# Altium PCB RK_NVR_DEMO1_RK3588_LP4XD200P232SD8_V21_20211228_final_lint.PcbDoc (part 15 of 29) (continued)
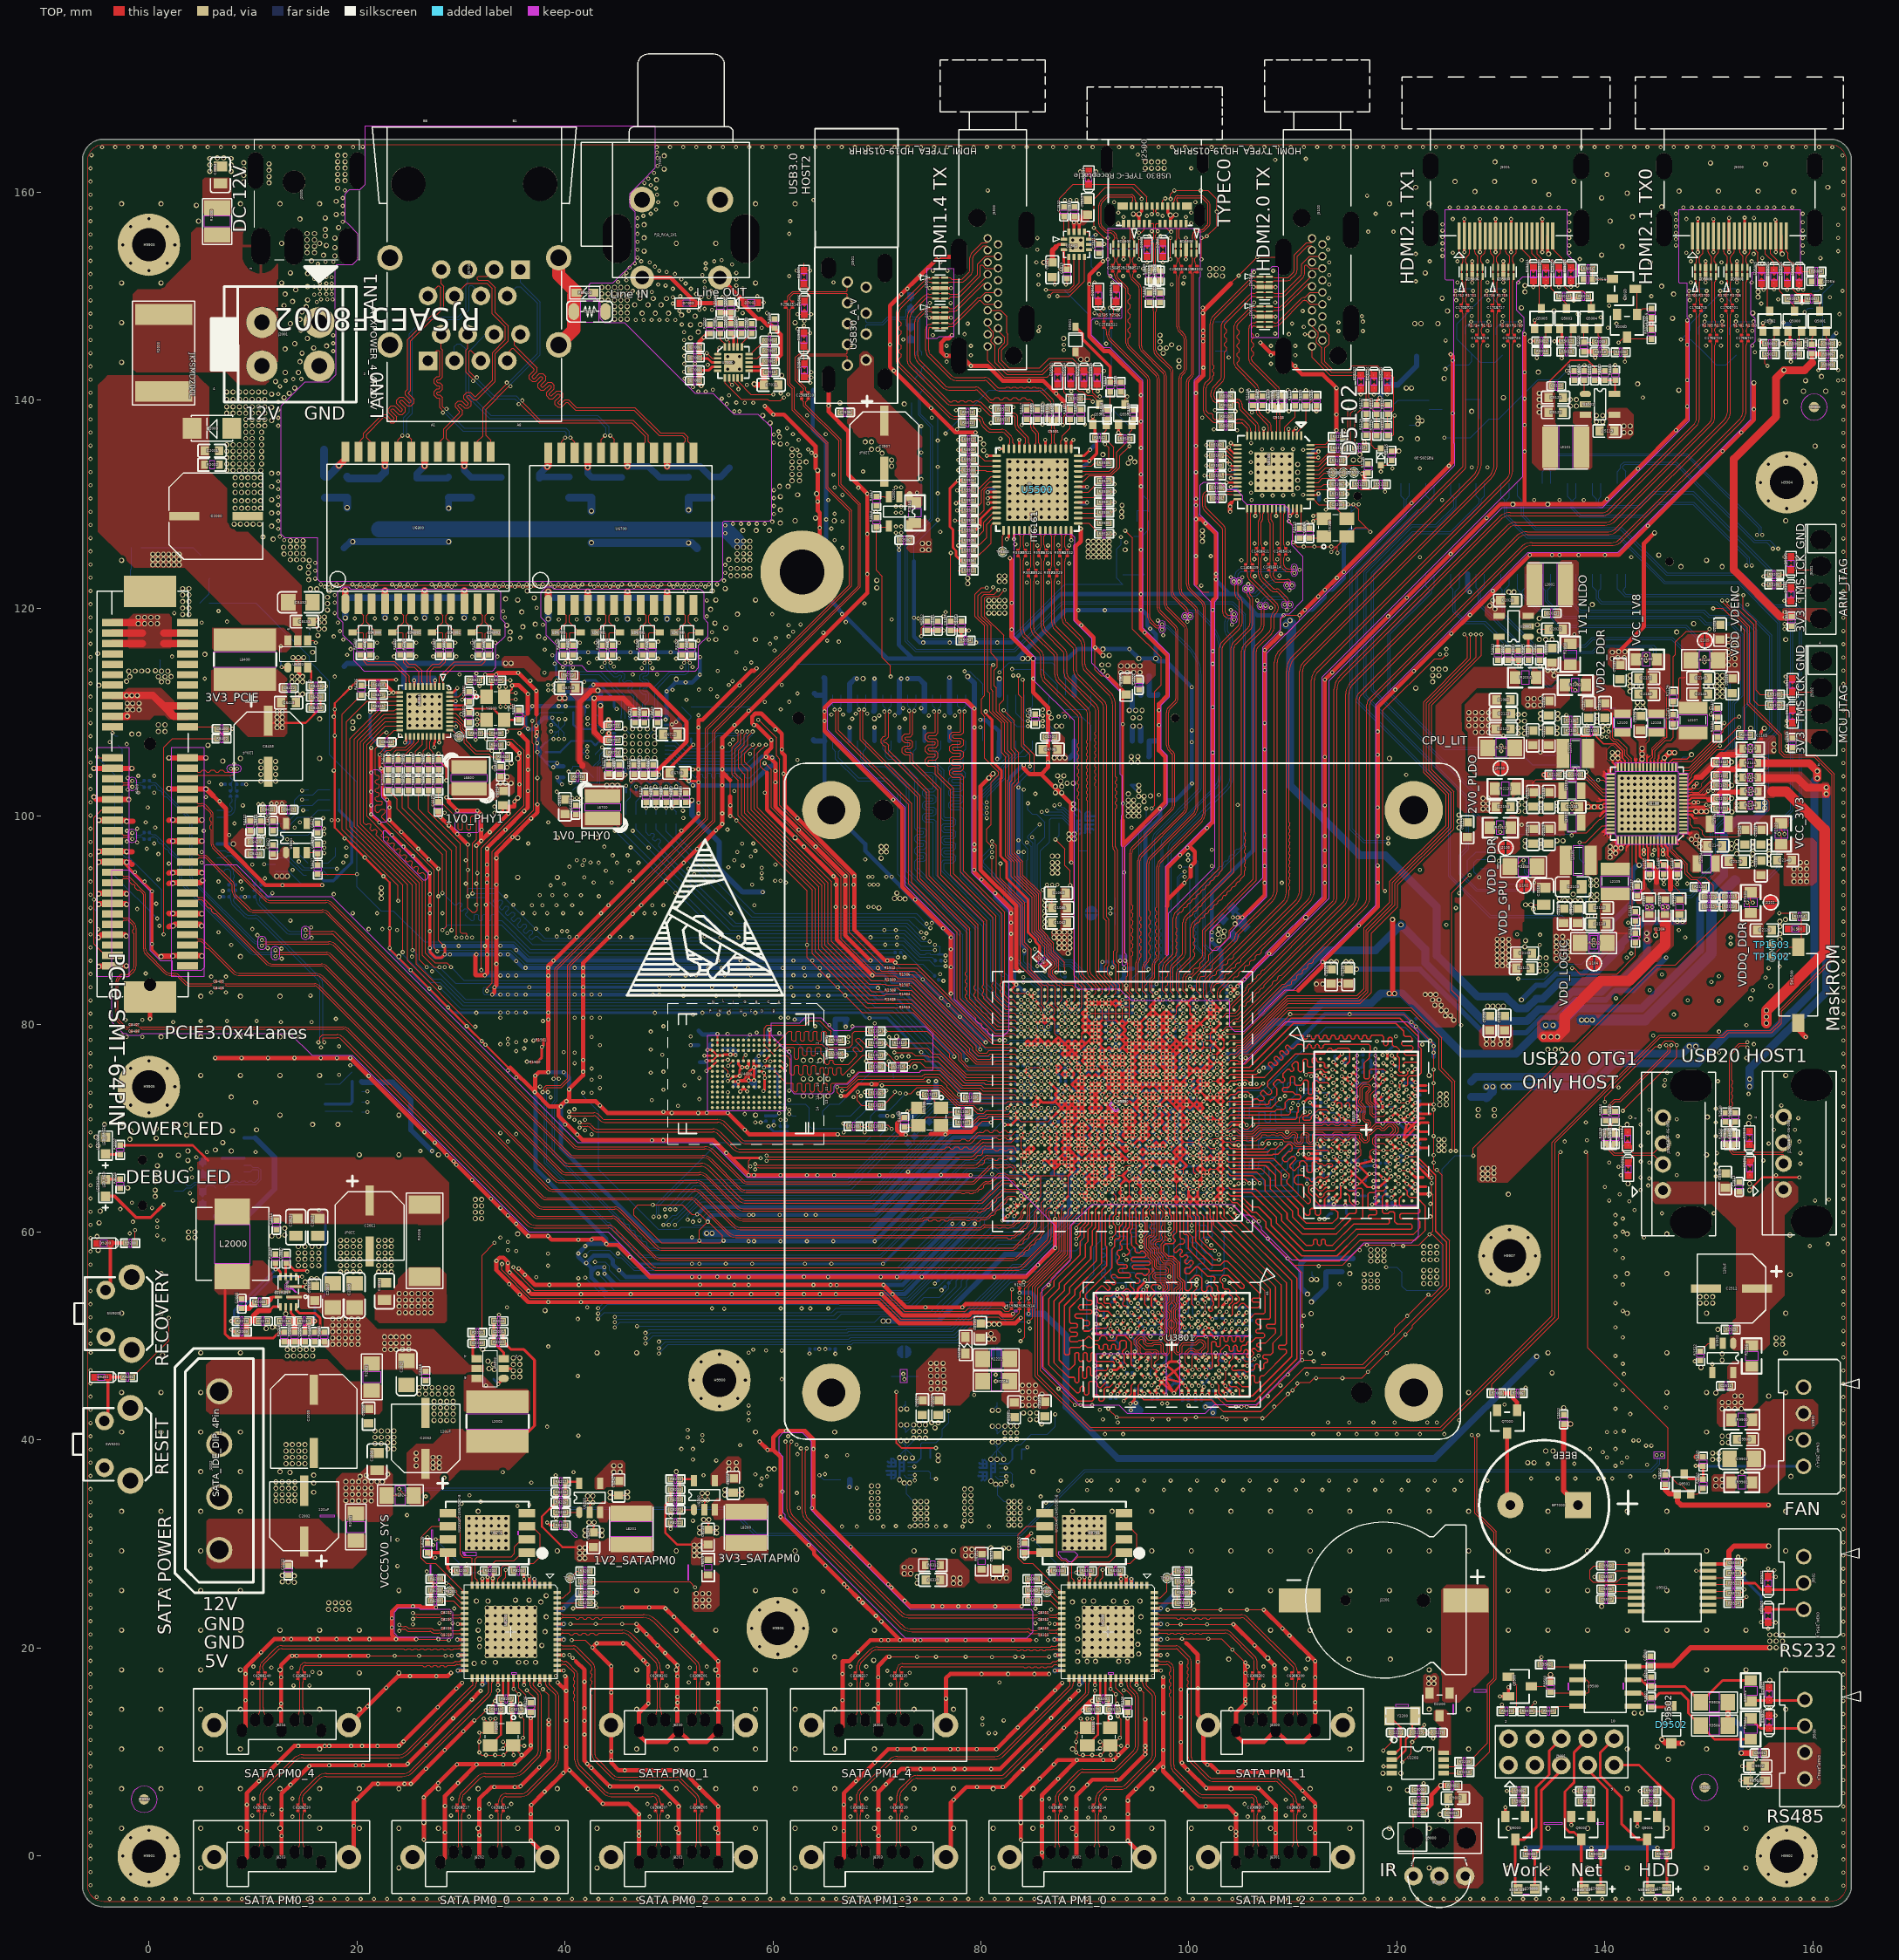
[diagram p0: TOP view]
## Nets (pads, with @x,y where several pads share a name; then routed paths per layer and width w, separated by ;. In a path a pad name is that pad's centre, name@x,y a point inside that pad or via, vN(x,y) a via of type N, cw(c..) or ccw(c..) an arc to the next point about the centre after c; other vN are vias at no path point) (continued)
  other v11: 97.527,8.573 87.012,8.827 89.222,9.233 91.762,9.233 92.752,9.233 89.806,9.716 90.695,9.716 91.502,9.716 92.473,9.716 93.235,9.716 95.8,9.792 89.171,9.97 85.816,10.171 95.8,10.198 97.527,10.198 91.457,10.351 94.098,10.579 93.489,10.605 95.8,10.605 99.229,10.96 89.171,10.986 91.457,10.986 93.362,11.367 89.171,11.875 87.977,12.332 83.545,12.359 95.8,13.145 89.595,13.229 90.23,13.229 90.738,13.229 94.098,13.246 86.754,13.275 99.229,13.373 93.171,13.463 97.527,13.754 81.068,19.139 83.303,19.165 84.015,19.165 86.555,19.165 97.934,19.368 80.865,20.765 83.075,20.765 85.336,20.765 86.453,20.765 27.83,20.866 97.934,20.892 99.331,20.892 47.849,21.345 97.934,22.289 99.204,22.289 45.502,22.314 46.88,22.314 86.606,22.365 27.932,22.39 85.234,22.39 156.416,22.461 50.481,23.005 97.959,23.686 100.499,23.686 86.758,23.711 49.674,23.813 85.234,23.813 45.508,23.914 48.109,23.914 76.293,24.016 77.817,24.016 78.833,24.016 81.373,24.016 83.913,24.016 100.347,24.319 89.969,26.81 156.43,26.861 93.969,26.889 156.293,27.48 155.693,27.648 23.893,27.884 23.893,30.424 50.164,32.736 24.818,32.79 41.292,40.424 91.939,40.576 93.667,40.576 111.955,40.576 114.393,40.576 116.12,40.576 118.051,40.576 119.981,40.576 38.295,41.288 93.159,41.694 113.377,41.694 115.409,41.694 117.746,41.694 119.778,41.694 91.736,41.999 96.511,41.999 98.035,41.999 99.661,41.999 103.623,41.999 105.452,41.999 107.078,42.1 93.057,42.202 100.677,42.202 103.217,42.202 91.431,42.913 92.244,43.015 104.538,43.218 105.046,43.218 105.554,43.218 108.195,43.218 99.966,43.32 90.695,43.371 97.426,43.523 97.934,43.523 107.586,44.234 109.516,44.437 109.968,44.787 87.469,44.945 108.805,45.25 110.431,45.453 102.303,45.936 112.22,45.962 114.76,45.962 41.241,46.165 109.514,46.315 111.345,46.368 117.228,46.561 92.498,46.673 93.784,46.841 112.005,47.587 110.888,47.689 112.971,48.298 119.024,48.357 110.888,48.451 38.396,49.01 120.82,50.153 83.71,50.534 84.726,50.736 110.888,50.991 83.837,51.753 111.04,51.956 120.985,51.944 33.66,52.062 83.075,52.134 34.434,52.769 74.667,52.769 78.223,52.769 82.44,52.769 94.454,53.201 123.029,53.988 93.59,54.725 86.504,54.928 114.495,55.004 74.312,55.69 81.271,55.69 112.475,56.732 85.488,56.833 115.409,56.832 93.997,57.341 109.491,57.468 116.425,58.255 87.139,58.484 120.591,58.661 159.707,58.662 117.119,58.763 119.659,58.763 161.434,58.865 107.586,59.373 123.131,59.779 77.258,60.795 78.325,60.795 79.417,60.795 82.071,61.113 89.294,61.198 112.539,61.252 113.047,61.252 87.139,61.278 123.232,61.506 82.566,61.531 87.116,62.181 117.619,62.675 123.232,62.725 83.216,62.831 85.166,62.831 86.466,62.831 87.766,62.831 90.366,62.831 91.016,62.831 92.316,62.831 93.616,62.831 94.915,62.831 95.565,62.831 99.465,62.831 101.416,62.831 102.066,62.831 4.229,63.03 160.215,63.03 161.536,63.132 32.885,63.219 83.866,63.48 90.366,63.481 93.616,63.48 95.565,63.481 103.366,63.481 3.954,63.742 120.231,63.948 91.016,64.131 93.616,64.131 95.565,64.132 97.515,64.131 100.115,64.131 100.766,64.131 111.345,64.656 123.334,64.707 83.866,64.781 84.516,64.781 87.766,64.78 91.666,64.781 92.316,64.781 94.915,64.781 95.565,64.781 98.165,64.781 99.465,64.781 100.765,64.781 101.416,64.781 103.366,64.781 31.089,65.015 118.69,65.186 123.334,65.215 4.157,65.266 119.452,65.363 94.915,65.43 95.565,65.43 99.466,65.43 92.966,65.431 101.416,65.431 102.066,65.431 109.237,65.443 76.166,65.494 79.023,65.481 81.068,65.57 101.74,65.756 112.965,65.931 110.888,65.977 123.842,65.977 4.055,66.078 83.866,66.081 84.515,66.081 92.966,66.081 94.266,66.081 29.557,66.485 123.537,66.699 85.816,66.73 93.615,66.731 94.266,66.731 94.915,66.731 96.215,66.731 101.416,66.731 102.066,66.731 102.716,66.731 103.366,66.731 29.293,66.811 155.236,66.891 4.563,67.196 83.866,67.38 84.515,67.38 102.716,67.381 103.366,67.381 28.643,67.399 123.537,67.399 5.579,67.704 10.253,67.704 27.497,68.607 123.533,69.239 85.816,69.331 99.466,69.331 76.585,69.393 26.489,69.615 82.287,70.32 80.967,70.549 100.115,70.631 86.467,71.28 101.416,71.281 102.066,71.281 123.533,71.779 82.566,71.931 85.164,71.932 103.366,71.931 123.537,72.276 109.999,72.412 111.015,72.454 21.023,72.511 101.416,72.581 109.237,73.089 114.572,73.088 102.066,73.231 102.716,73.231 103.366,73.231 21.023,73.527 110.761,73.724 112.972,73.776 102.066,73.88 103.366,73.881 104.016,73.881 123.533,74.319 120.316,74.382 86.466,74.531 102.066,74.531 111.777,74.994 113.809,74.994 21.124,75.019 18.279,75.121 103.366,75.181 123.533,75.629 119.448,75.654 84.515,75.831 85.816,75.831 87.116,75.831 102.716,76.481 103.366,76.481 6.367,76.746 8.907,76.746 11.447,76.746 13.987,76.746 16.527,76.746 18.076,76.746 19.357,76.746 119.516,76.981 123.533,77.254 16.552,77.762 18.279,77.864 123.533,77.895 32.355,78.012 118.076,78.347 31.995,78.372 123.199,78.404 14.419,78.779 119.905,78.804 121.828,79.777 30.559,79.808 2.328,80.201 12.691,80.201 15.638,80.201 121.403,80.201 4.97,80.303 7.51,80.303 10.355,80.303 17.975,80.506 109.743,80.964 115.46,80.964 31.473,81.09 88.416,81.681 85.166,82.331 88.416,82.331 15.536,82.741 84.516,82.981 85.165,82.981 5.986,83.046 7.408,83.046 135.932,83.249 83.399,83.814 5.986,84.57 7.408,84.57 91.685,85.992 12.768,86.297 82.891,86.297 84.167,87.059 12.742,87.262 11.421,87.313 7.916,87.618 133.734,87.618 84.726,88.024 15.638,88.303 10.431,88.557 133.759,88.597 82.891,88.684 6.697,88.837 9.948,89.142 21.124,89.142 15.612,89.294 124.756,89.548 13.606,89.955 138.396,90.375 139.056,90.375 19.6,90.666 21.937,90.662 125.671,91.174 6.797,92.24 9.237,92.24 11.879,92.596 125.975,92.596 7.103,92.799 8.932,93.002 86.351,93.409 86.859,93.409 87.367,93.409 99.559,93.587 107.281,93.587 108.937,93.587 113.072,93.587 118.152,93.612 6.697,93.714 8.831,93.714 143.197,93.815 11.167,94.019 93.768,94.577 79.341,94.831 122.216,94.831 18.076,94.933 99.153,95.136 100.194,95.187 102.201,95.212 107.281,95.212 113.072,95.212 118.152,95.238 9.948,95.339 11.066,95.375 1.922,95.441 5.071,95.543 18.686,95.542 88.688,95.542 14.419,95.644 20.749,96.02 18.991,96.152 99.153,96.254 16.857,96.457 5.071,96.559 83.608,96.558 79.37,96.736 107.281,96.728 113.072,96.728 102.201,96.762 10.558,96.965 11.066,96.965 16.857,96.965 18.991,96.965 99.851,96.977 79.37,97.279 13.809,97.473 16.857,97.473 83.608,97.676 13.301,97.778 18.813,97.854 10.558,98.082 11.066,98.082 7.713,98.184 16.857,98.286 5.275,98.591 16.857,98.794 14.012,98.895 8.221,99.302 14.52,99.403 18.178,99.606 16.755,99.81 10.528,100.093 10.935,100.093 21.366,100.177 14.825,100.563 9.034,101.029 21.366,101.029 10.528,101.148 10.935,101.148 93.641,101.218 6.799,101.435 14.723,101.588 5.478,101.842 85.234,102.147 21.366,102.35 14.723,102.451 83.608,102.756 6.943,103.061 9.353,103.061 100.296,103.137 5.783,103.264 136.185,103.977 21.366,104.178 84.116,104.89 8.196,105.017 86.453,105.194 81.576,105.499 102.303,106.109 21.366,106.561 100.271,107.125 139.718,107.633 140.19,107.633 100.271,108.242 8.018,108.395 138.251,108.717 102.303,110.478 100.271,112.408 17.032,112.493 84.015,113.119 5.376,113.221 85.031,113.221 83.1,113.526 102.303,114.643 2.227,115.355 102.303,115.863 157.268,117.996 157.268,118.474 5.071,118.606 7.51,118.707 97.02,118.809 2.43,119.52 6.697,119.723 91.916,119.808 95.394,119.825 102.303,119.825 82.948,120.496 95.394,121.349 102.607,122.771 102.607,123.286 100.677,125.006 95.394,125.616 77.817,126.022 111.345,128.258 109.618,128.359 111.955,128.359 100.677,128.562 111.955,128.867 113.174,129.477 100.677,129.883 115.307,129.985 115.815,129.985 116.323,129.985 121.41,130.093 106.015,130.391 113.174,130.391 124.35,130.391 100.677,130.524 107.05,130.826 108.056,130.829 109.066,130.841 110.024,130.899 110.987,130.9 115.231,130.971 105.983,131.102 95.394,131.712 115.231,131.925 105.96,132.017 95.394,132.863 105.96,133.033 100.677,133.064 119.575,133.439 122.216,133.439 127.195,133.541 128.719,133.541 125.002,133.685 105.96,134.049 105.96,134.963 132.275,135.065 100.677,135.604 132.275,137.605 125.366,138.739 132.275,140.145 95.394,140.483 116.527,140.551 117.797,140.551 119.067,140.551 107.586,140.856 104.132,140.958 105.757,140.958 109.516,140.958 110.228,140.958 111.244,140.958 114.19,141.16 90.924,148.375 88.18,151.118 90.415,151.171 90.924,151.321 104.783,151.972 101.72,155.768 90.865,156.568 95.956,157.722 97.473,157.722 102.658,158.128 95.445,159.347 98.239,159.347 98.594,160.16 101.134,160.16
  other v13: 120.997,6.338 31.654,6.485 39.274,6.485 46.894,6.485 50.704,6.485 54.514,6.485 58.324,6.485 62.134,6.485 65.944,6.485 69.754,6.485 73.564,6.485 77.374,6.485 81.184,6.485 84.994,6.485 88.804,6.485 96.424,6.485 104.044,6.485 107.854,6.485 111.664,6.485 119.284,6.485 118.66,7.963 120.387,7.963 46.894,10.295 50.704,10.295 54.514,10.295 58.324,10.295 62.134,10.295 65.944,10.295 69.754,10.295 73.564,10.295 115.474,10.295 123.094,10.295 126.904,10.295 24.034,14.105 20.224,17.61 24.034,17.61 16.414,21.725 20.224,21.725 139.691,24.016 58.324,25.535 62.134,25.535 73.855,26.251 149.764,29.345 82.165,29.61 82.694,29.604 34.332,29.629 80.967,29.627 33.621,30.341 34.332,30.341 32.91,31.052 33.621,31.052 34.332,31.052 52.95,31.077 54.601,31.077 52.95,31.585 54.601,31.585 32.199,31.763 32.91,31.763 33.621,31.763 34.332,31.763 73.651,31.763 74.21,31.763 74.794,31.763 82.668,31.839 83.202,31.839 83.786,31.839 53.331,32.347 53.839,32.347 73.651,32.398 74.21,32.398 74.794,32.398 82.668,32.423 83.202,32.423 83.786,32.423 31.487,32.474 32.199,32.474 32.91,32.474 33.621,32.474 34.332,32.474 73.651,32.957 74.21,32.957 74.794,32.957 82.668,33.008 83.202,33.008 83.786,33.008 31.654,33.155 104.044,33.155 107.854,33.155 111.664,33.155 115.474,33.155 119.284,33.155 123.094,33.155 126.904,33.155 134.524,33.155 142.144,33.155 145.954,33.155 73.651,33.516 74.21,33.516 74.794,33.516 82.668,33.541 83.202,33.541 83.786,33.541 42.181,33.998 42.689,33.998 73.651,34.1 74.21,34.1 74.794,34.1 82.668,34.1 83.202,34.1 83.786,34.1 12.818,34.151 13.428,34.151 14.038,34.151 53.204,34.252 53.712,34.252 42.181,34.633 42.689,34.633 55.377,34.721 12.209,34.76 12.818,34.76 13.428,34.76 14.038,34.76 57.04,34.76 53.204,34.887 53.712,34.887 55.377,35.229 57.04,35.268 12.209,35.37 12.818,35.37 13.428,35.37 14.038,35.37 12.209,35.979 12.818,35.979 13.428,35.979 14.038,35.979 13.555,36.894 153.204,36.919 12.604,36.965 13.174,37.732 13.784,37.732 14.393,37.732 15.003,37.732 150.359,38.138 150.969,38.138 72.762,38.291 73.397,38.291 72.178,38.316 13.174,38.342 13.784,38.342 14.393,38.342 15.003,38.342 150.359,38.748 150.969,38.748 13.174,38.951 13.784,38.951 14.393,38.951 15.003,38.951 13.174,39.561 13.784,39.561 14.393,39.561 15.003,39.561 151.274,39.764 151.883,39.764 72.305,39.942 72.889,39.942 73.524,40.196 74.083,40.196 74.667,40.196 151.274,40.374 151.883,40.374 8.794,40.775 58.324,40.775 65.944,40.775 149.764,40.775 73.524,40.831 74.083,40.831 74.667,40.831 75.582,41.186 27.423,41.898 28.033,41.898 28.643,41.898 29.252,41.898 27.423,42.507 28.033,42.507 28.643,42.507 29.252,42.507 27.423,43.117 28.033,43.117 28.643,43.117 29.252,43.117 136.034,43.117 27.423,43.726 28.033,43.726 28.643,43.726 29.252,43.726 26.001,44.438 26.611,44.438 27.22,44.438 27.83,44.438 28.541,44.438 29.151,44.438 150.664,44.539 4.984,44.585 149.764,44.585 26.001,45.047 26.611,45.047 27.22,45.047 27.83,45.047 28.541,45.047 29.151,45.047 4.984,48.395 43.084,48.395 38.091,52.464 58.324,71.255 62.933,73.089 63.644,73.089 64.533,73.089 65.295,73.089 62.933,74.74 63.644,74.74 64.533,74.74 65.295,74.74 62.933,76.518 63.644,76.518 64.533,76.518 133.734,86.373 134.343,86.373 24.034,86.495 132.311,87.44 132.376,88.024 156.811,88.165 144.873,88.532 156.811,88.673 86.148,89.345 156.811,89.384 156.811,89.892 70.197,91.174 35.464,94.115 39.274,94.115 154.209,95.379 155.795,95.379 154.209,95.887 155.795,95.887 152.675,96.395 154.209,96.395 155.795,96.395 152.188,96.863 152.675,97.03 154.209,97.03 155.795,97.03 152.188,97.371 152.675,97.538 154.209,97.538 155.795,97.538 35.464,97.925 39.274,97.925 43.084,97.925 62.134,97.925 142.257,98.768 142.866,98.768 143.476,98.768 144.086,98.768 144.695,98.768 145.305,98.768 145.914,98.768 146.524,98.768 125.975,98.895 142.257,99.378 142.866,99.378 143.476,99.378 144.086,99.378 144.695,99.378 145.305,99.378 145.914,99.378 146.524,99.378 142.257,99.987 142.866,99.987 143.476,99.987 144.086,99.987 144.695,99.987 145.305,99.987 145.914,99.987 146.524,99.987 142.257,100.597 142.866,100.597 143.476,100.597 144.086,100.597 144.695,100.597 145.305,100.597 145.914,100.597 146.524,100.597 131.702,101.08 142.257,101.207 142.866,101.207 143.476,101.207 144.086,101.207 144.695,101.207 145.305,101.207 145.914,101.207 146.524,101.207 131.702,101.588 35.464,101.735 142.257,101.816 142.866,101.816 143.476,101.816 144.086,101.816 144.695,101.816 145.305,101.816 145.914,101.816 146.524,101.816 96.308,101.943 142.257,102.426 142.866,102.426 143.476,102.426 144.086,102.426 144.695,102.426 145.305,102.426 145.914,102.426 146.524,102.426 142.257,103.035 142.866,103.035 143.476,103.035 144.086,103.035 144.695,103.035 145.305,103.035 145.914,103.035 146.524,103.035 142.257,103.645 142.866,103.645 143.476,103.645 144.086,103.645 144.695,103.645 145.305,103.645 145.914,103.645 146.524,103.645 33.215,104.687 34.434,104.687 152.163,105.194 119.284,105.545 45.788,105.601 46.499,105.601 47.21,105.601 47.921,105.601 48.632,105.601 45.788,106.261 46.499,106.261 47.21,106.261 47.921,106.261 48.632,106.261 45.788,106.972 46.499,106.972 47.21,106.972 47.921,106.972 48.632,106.972 45.788,107.684 46.499,107.684 47.21,107.684 47.921,107.684 48.632,107.684 131.654,107.947 45.788,108.395 46.499,108.395 47.21,108.395 47.921,108.395 48.632,108.395 131.654,108.499 25.087,108.7 25.798,108.7 26.509,108.7 27.22,108.7 27.931,108.7 139.791,108.711 140.291,108.711 131.654,109.134 25.087,109.36 25.798,109.36 26.509,109.36 27.22,109.36 27.931,109.36 69.754,109.381 139.22,109.642 131.654,109.769 25.087,110.071 25.798,110.071 26.509,110.071 27.22,110.071 27.931,110.071 143.135,110.424 143.643,110.424 25.087,110.782 25.798,110.782 26.509,110.782 27.22,110.782 27.931,110.782 143.135,110.932 143.643,110.932 25.087,111.494 25.798,111.494 26.509,111.494 27.22,111.494 27.931,111.494 142.411,111.99 121.81,112.306 143.008,112.482 142.411,112.498 142.411,113.006 50.704,113.165 68.673,113.221 78.731,113.424 133.697,116.98 134.307,116.98 134.916,116.98 133.697,117.793 133.494,118.402 133.697,119.012 54.017,119.876 138.777,120.333 54.514,120.785 58.324,120.785 130.751,121.552 131.259,121.552 55.412,121.867 56.557,123.101 57.167,123.101 57.776,123.101 57.167,123.813 57.776,123.813 147.312,123.991 145.178,125.108 62.134,128.405 65.894,128.405 64.101,128.664 134.51,129.985 71.416,133.643 71.416,134.252 70.502,134.887 69.486,135.268 70.095,135.268 68.876,135.979 69.486,135.979 139.793,137.91 139.793,138.519 136.664,139.434 137.253,139.434 72.635,139.637 136.664,140.043 137.253,140.043 130.243,140.246 147.108,140.958 143.146,141.567 154.322,141.669 124.553,142.075 97.527,144.514 123.944,147.359 155.846,147.562 137.456,148.273 135.12,148.578
  other v14: 88.804,10.295 89.933,19.292 90.695,19.292 91.457,19.292 92.219,19.292 92.981,19.292 93.743,19.292 94.505,19.292 95.165,19.444 89.298,19.647 89.933,20.054 90.695,20.054 91.457,20.054 92.219,20.054 92.981,20.054 93.743,20.054 94.505,20.054 95.089,20.358 89.933,20.816 90.695,20.816 91.457,20.816 92.219,20.816 92.981,20.816 93.743,20.816 94.505,20.816 89.298,20.866 89.933,21.578 90.695,21.578 91.457,21.578 92.219,21.578 92.981,21.578 93.743,21.578 94.505,21.578 95.191,21.578 46.894,21.725 89.298,22.086 89.933,22.34 90.695,22.34 91.457,22.34 92.219,22.34 92.981,22.34 93.743,22.34 94.505,22.34 89.298,22.797 95.394,23 89.933,23.102 90.695,23.102 91.457,23.102 92.219,23.102 92.981,23.102 93.743,23.102 94.505,23.102 89.933,23.864 90.695,23.864 91.457,23.864 92.219,23.864 92.981,23.864 93.743,23.864 94.505,23.864 88.79,24.422 93.971,24.422 89.907,24.524 90.822,24.524 92.752,24.524 95.292,24.524 46.894,25.535 50.704,25.535 157.384,29.345 157.384,33.155 44.353,34.467 46.016,34.506 44.353,34.975 15.841,34.989 46.016,35.014 15.841,35.878 157.878,36.513 15.841,36.64 50.704,36.965 22.953,39.154 23.563,39.154 21.734,39.662 22.343,39.662 22.953,39.764 23.563,39.764 157.878,40.17 21.734,40.272 22.343,40.272 22.953,40.272 23.563,40.272 21.734,40.882 22.343,40.882 22.953,40.882 23.563,40.882 84.091,42.609 84.726,42.609 85.361,42.609 81.094,42.863 81.678,42.863 157.384,44.585 35.043,46.063 35.653,46.063 35.043,46.673 35.653,46.673 33.215,46.774 32.707,46.876 33.113,47.282 35.043,47.282 35.653,47.282 32.605,47.587 35.043,47.892 35.653,47.892 13.301,48.095 13.911,48.095 14.52,48.095 15.13,48.095 15.739,48.095 8.794,48.395 111.664,48.395 157.384,48.395 13.301,48.705 13.911,48.705 14.52,48.705 15.13,48.705 15.739,48.705 32.097,48.705 156.455,49.213 157.065,49.213 156.455,49.822 157.065,49.822 11.269,50.737 11.879,50.838 12.387,50.838 80.763,51.143 81.271,51.143 81.779,51.143 13.154,52.154 111.751,52.159 157.384,52.205 15.13,54.699 15.028,55.207 111.777,55.436 112.285,55.436 15.638,55.537 16.146,55.537 157.791,55.914 115.474,56.015 18.432,56.172 19.041,56.172 19.651,56.172 20.286,56.172 22.089,56.172 22.699,56.172 23.309,56.172 14.368,56.782 15.003,56.782 15.689,56.782 16.324,56.782 18.432,56.782 19.041,56.782 19.651,56.782 20.286,56.782 22.089,56.782 22.699,56.782 23.309,56.782 14.368,57.392 15.003,57.392 15.689,57.392 16.324,57.392 18.432,57.392 19.041,57.392 19.651,57.392 20.286,57.392 22.089,57.392 22.699,57.392 23.309,57.392 14.368,58.001 15.003,58.001 15.689,58.001 16.324,58.001 18.432,58.001 19.041,58.001 19.651,58.001 20.286,58.001 22.089,58.001 22.699,58.001 23.309,58.001 14.368,58.611 15.003,58.611 15.689,58.611 16.324,58.611 18.432,58.611 19.041,58.611 19.651,58.611 20.286,58.611 22.089,58.611 22.699,58.611 23.309,58.611 18.432,59.22 19.041,59.22 19.651,59.22 20.286,59.22 22.089,59.22 22.699,59.22 23.309,59.22 3.805,59.474 4.415,59.474 11.828,59.627 12.463,59.627 13.048,59.728 157.791,59.724 3.805,60.026 4.415,60.026 13.048,60.363 123.094,63.635 130.714,63.635 3.751,66.891 2.836,67.399 20.224,67.445 24.034,67.445 27.844,67.445 3.751,67.806 7.916,67.806 6.392,67.907 7.103,68.618 3.649,69.33 8.018,69.736 10.355,69.838 2.633,70.346 3.547,70.346 15.739,70.346 18.178,70.346 127.817,71.18 129.368,71.18 4.984,71.255 12.604,71.255 24.034,71.255 127.817,71.791 129.368,71.791 10.253,72.479 7.916,72.987 4.984,75.065 8.794,75.065 12.604,75.065 16.414,75.065 123.094,75.065 4.984,78.774 8.794,78.774 12.604,78.774 4.984,82.685 8.794,82.685 12.604,82.685 133.734,85.103 134.343,85.103 133.734,85.713 134.343,85.713 8.794,86.495 2.303,86.551 5.097,86.551 2.328,89.446 5.071,89.446 157.37,90.056 5.097,90.615 2.303,90.64 133.138,91.072 132.376,91.478 132.884,91.478 136.135,91.885 136.643,91.885 137.151,91.885 137.659,91.885 138.675,91.95 139.234,91.95 135.627,92.088 138.675,92.458 139.234,92.458 136.948,92.494 138.65,93.321 139.183,93.321 2.303,93.536 5.173,93.815 138.65,93.829 139.183,93.829 86.859,94.526 87.367,94.526 2.303,94.552 5.097,94.552 86.859,95.034 87.367,95.034 86.859,95.542 87.367,95.542 86.859,96.152 87.367,96.152 132.337,97.092 2.303,97.6 5.097,97.6 132.337,97.625 88.468,97.777 88.976,97.802 88.468,98.285 88.975,98.284 141.647,99.378 2.303,99.632 5.097,99.632 141.647,99.987 141.647,100.597 88.896,100.678 135.385,100.673 132.337,101.08 133.861,101.08 88.896,101.181 141.647,101.207 135.385,101.283 95.699,101.41 132.337,101.588 133.861,101.588 141.647,101.816 95.165,101.918 95.699,101.918 87.164,102.248 87.774,102.248 141.647,102.426 95.191,102.451 5.478,102.599 1.922,102.654 87.164,102.858 87.774,102.858 95.191,102.959 141.647,103.035 88.282,103.163 88.892,103.163 10.771,103.366 12.173,103.366 87.672,103.366 141.647,103.645 87.368,103.874 87.977,103.874 10.771,104.001 12.173,104.001 10.771,104.636 12.173,104.636 10.771,105.271 12.173,105.271 7.103,105.296 8.794,105.545 16.414,105.545 1.922,105.599 5.478,105.599 5.681,106.82 132.261,107.947 135.385,107.947 0.906,108.141 1.541,108.141 139.791,108.203 132.261,108.499 133.861,108.499 135.385,108.499 87.266,108.649 87.774,108.649 0.906,108.776 1.541,108.776 139.22,109.09 132.261,109.134 133.822,109.346 135.473,109.346 16.414,109.355 86.758,109.462 132.261,109.769 133.822,109.854 135.473,109.854 86.555,109.97 14.266,111.748 14.774,111.748 1.211,112.916 1.82,112.916 13.758,112.916 14.266,112.916 14.774,112.916 16.414,113.165 81.769,113.211 0.906,113.399 1.541,113.399 -1.837,113.424 2.125,113.424 13.758,113.424 14.266,113.424 14.774,113.424 -1.939,113.932 1.211,113.932 1.82,113.932 -1.329,113.957 -0.694,113.957 -0.11,113.983 0.626,113.983 84.015,115.151 84.523,115.151 85.031,115.151 5.376,115.558 157.384,116.975 16.247,117.386 16.338,117.996 16.871,117.996 16.338,118.631 16.871,118.631 16.338,119.139 16.871,119.139 3.243,119.393 3.852,119.393 17.162,119.825 3.243,120.003 3.852,120.003 17.162,120.434 3.243,120.638 3.852,120.638 3.243,121.273 3.852,121.273 15.536,121.857 3.243,121.882 3.852,121.882 93.87,125.616 106.646,131.534 107.408,131.534 108.17,131.534 108.932,131.534 109.694,131.534 110.456,131.534 106.646,132.296 107.408,132.296 108.17,132.296 108.932,132.296 109.694,132.296 110.456,132.296 106.646,133.058 107.408,133.058 108.17,133.058 108.932,133.058 109.694,133.058 110.456,133.058 106.646,133.82 107.408,133.82 108.17,133.82 108.932,133.82 109.694,133.82 110.456,133.82 106.646,134.582 107.408,134.582 108.17,134.582 108.932,134.582 109.694,134.582 120.388,136.284 121.962,136.284 127.195,138.926 88.841,154.623 89.603,154.623 88.841,155.385 89.603,155.385
  other v15: 89.806,14.034 85.341,14.155 93.108,14.669 33.291,14.923 90.695,14.923 31.048,15.042 88.55,15.071 35.577,15.558 92.981,15.558 31.894,15.888 33.567,15.917 89.383,15.904 90.971,15.917 36.339,15.939 93.743,15.939 87.131,15.957 99.229,16.04 35.069,16.066 37.884,16.055 92.473,16.066 95.288,16.055 29.571,16.113 100.855,16.135 97.527,16.294 30.112,16.654 87.825,16.65 39.311,16.701 97.527,17.209 40.022,17.31 82.606,17.514 85.146,17.514 86.555,17.514 29.049,17.615 99.229,18.58 100.855,18.675 40.747,19.043 28.516,19.266 29.1,19.266 40.428,19.342 28.846,20.765 40.657,20.765 155.693,21.882 40.53,22.314 29.202,22.39 29.354,23.813 40.784,23.813 32.565,26.81 36.565,26.889 97.045,44.387 98.569,44.514 101.439,45.123 103.512,45.215 97.68,45.911 100.347,46.774 97.807,47.181 99.077,47.562 106.697,48.121 97.299,49.822 97.172,50.762 101.591,50.813 92.473,51.499 96.486,52.312 101.744,55.207 103.395,55.41 100.753,55.436 98.112,55.715 102.887,57.849 102.15,58.738 89.171,58.839 92.473,58.865 95.394,59.119 98.133,59.242 89.171,59.881 95.394,60.135 100.271,60.135 98.133,60.334 106.214,61.024 95.949,61.329 97.879,61.401 89.066,62.181 92.316,62.181 119.841,62.421 116.222,62.802 96.215,62.831 96.865,62.831 97.515,62.831 98.165,62.831 102.716,62.831 103.366,62.831 89.716,63.481 96.216,63.48 97.515,63.48 90.366,64.131 117.746,64.326 116.168,64.634 105.3,64.681 106.316,64.707 96.215,64.781 96.865,64.781 115.404,65.169 158.691,65.266 91.016,65.431 103.366,65.431 156.456,65.469 117.365,65.596 117.822,65.606 115.358,65.926 120.266,65.955 121.067,65.955 88.416,66.081 91.016,66.081 97.516,66.081 98.816,66.081 116.242,66.505 158.792,66.586 87.766,66.731 88.415,66.73 89.716,66.731 90.366,66.731 91.016,66.731 91.666,66.731 92.316,66.731 92.966,66.731 120.128,67.194 113.909,67.238 88.415,67.381 92.966,67.381 94.916,67.381 100.115,67.381 100.766,67.381 101.416,67.381 158.792,67.602 115.439,67.757 114.647,67.78 118.703,67.869 119.503,67.869 120.286,67.882 91.016,68.031 101.416,68.031 104.788,68.356 108.319,68.488 112.356,68.491 155.744,68.517 88.416,68.681 90.366,68.681 92.316,68.681 92.966,68.681 94.266,68.681 98.166,68.682 100.766,68.681 102.066,68.681 158.691,68.72 83.866,69.331 87.766,69.331 91.666,69.331 92.966,69.331 95.565,69.331 98.166,69.33 101.416,69.331 103.366,69.331 104.016,69.331 109.438,69.633 156.252,69.838 158.284,69.838 87.766,69.981 88.416,69.981 91.016,69.981 92.966,69.981 95.565,69.981 98.165,69.981 101.416,69.981 103.366,69.981 121.81,70.041 104.991,70.24 106.189,70.346 120.941,70.508 88.416,70.631 90.366,70.631 91.016,70.631 92.316,70.631 95.565,70.631 96.216,70.631 98.165,70.631 102.066,70.631 102.716,70.631 103.366,70.631 116.312,70.69 158.589,70.955 120.355,71.111 156.049,71.158 88.416,71.281 89.716,71.281 91.664,71.281 92.314,71.283 103.366,71.281 111.142,71.565 118.635,71.666 92.966,71.931 96.866,71.93 97.516,71.93 156.964,72.174 99.784,72.247 113.834,72.339 118.631,72.39 121.022,72.428 87.766,72.581 88.415,72.581 89.07,72.585 89.714,72.581 91.666,72.581 92.316,72.581 93.622,72.578 95.562,72.581 112.285,72.962 116.134,73.05 105.427,73.089 118.641,73.207 85.166,73.231 88.416,73.231 89.066,73.231 89.716,73.231 91.666,73.231 92.966,73.231 94.916,73.231 97.516,73.231 98.165,73.231 98.815,73.231 99.465,73.231 100.765,73.231 120.159,73.724 121.753,73.744 92.966,73.881 94.265,73.881 94.915,73.881 98.815,73.881 99.465,73.881 101.416,73.881 117.822,74.13 106.506,74.244 105.372,74.253 115.499,74.398 92.316,74.531 92.966,74.531 94.265,74.531 96.215,74.531 96.865,74.531 97.515,74.531 98.165,74.531 101.416,74.531 110.71,74.714 116.216,74.981 117.865,74.981 114.698,74.994 84.516,75.181 89.716,75.181 92.316,75.181 92.966,75.181 94.265,75.181 97.515,75.181 98.165,75.181 98.815,75.181 100.765,75.181 101.419,75.184 121.762,75.677 107.179,75.807 89.066,75.83 89.716,75.831 92.316,75.831 94.266,75.831 98.167,75.831 103.366,75.831 116.196,76.34 89.066,76.481 91.666,76.481 92.316,76.481 94.266,76.48 97.515,76.481 98.167,76.481 100.115,76.481 104.966,76.794 118.635,77.026 91.666,77.131 94.251,77.128 97.515,77.131 98.165,77.131 100.115,77.131 102.066,77.131 114.717,77.133 116.73,77.559 117.924,77.61 89.066,77.781 92.966,77.781 94.254,77.793 96.215,77.781 91.015,78.431 92.966,78.431 94.266,78.431 94.915,78.431 96.215,78.431 96.865,78.431 99.466,78.43 100.765,78.431 101.416,78.431 102.716,78.431 159.3,78.778 85.166,79.081 91.015,79.081 92.966,79.081 94.915,79.081 98.166,79.08 100.766,79.081 101.417,79.081 102.716,79.08 103.366,79.08 94.915,79.731 101.415,79.731 102.066,79.73 91.015,79.731 98.165,79.731 85.166,80.381 85.816,80.381 86.466,80.381 91.016,80.381 94.266,80.381 94.915,80.381 98.165,80.381 99.465,80.381 100.765,80.381 102.066,80.381 102.716,80.381 85.816,81.031 90.366,81.031 102.716,81.031 86.466,81.681 89.066,81.681 90.366,81.681 91.016,81.681 91.666,81.681 92.316,81.681 93.616,81.681 96.866,81.681 102.066,81.681 103.366,81.681 91.016,82.331 92.316,82.331 93.616,82.331 96.866,82.331 99.466,82.331 100.765,82.331 102.066,82.331 90.366,82.981 104.016,82.981 104.016,83.631 104.666,83.631 93.971,83.706 96.872,83.852 105.357,84.322 100.115,84.36 96.118,85.268 112.869,85.992 93.87,86.094 107.719,86.774 102.201,88.137 109.515,88.57 102.201,88.837 116.341,89.464 104.233,90.259 104.69,90.259 105.147,90.259 12.832,93.363 16.664,93.363 13.818,94.831 79.37,101.816 157.471,106.312 157.471,106.718 157.449,108.671 93.641,108.838 157.471,109.157 157.37,112.916 157.37,113.424 92.175,113.504 94.276,116.066 90.987,116.205 79.534,116.692 81.576,116.692 97.527,117.386 95.743,117.647 82.948,117.956 96.272,118.032 89.644,118.361 95.394,127.546 101.593,128.155 110.989,135.217 107.035,135.268 108.022,135.297 109.024,135.299 110.037,135.283 95.394,135.403 105.988,135.878 116.875,135.979 81.881,136.297 79.486,136.894 104.639,137.097 114.19,137.097 114.901,137.097 102.404,137.199 83.913,137.605 87.875,137.605 85.92,137.656 90.009,137.681 80.967,137.808 95.394,137.943 114.19,138.62 106.062,138.824 104.487,138.926 107.586,138.926 109.618,138.926 102.506,139.027